# Altium PCB Allwinner_A13_BRD.PcbDoc (part 1 of 5)
Units mil, origin at the board's own origin, x right, y up, seen from the top; angles counter-clockwise.
Board outline 3937 x 2895 mil, 4 copper layers (Top Layer, power, gnd, Bottom Layer), stack 68.553 mil thick; 348 components, 338 nets, 1570 pads, 834 vias.
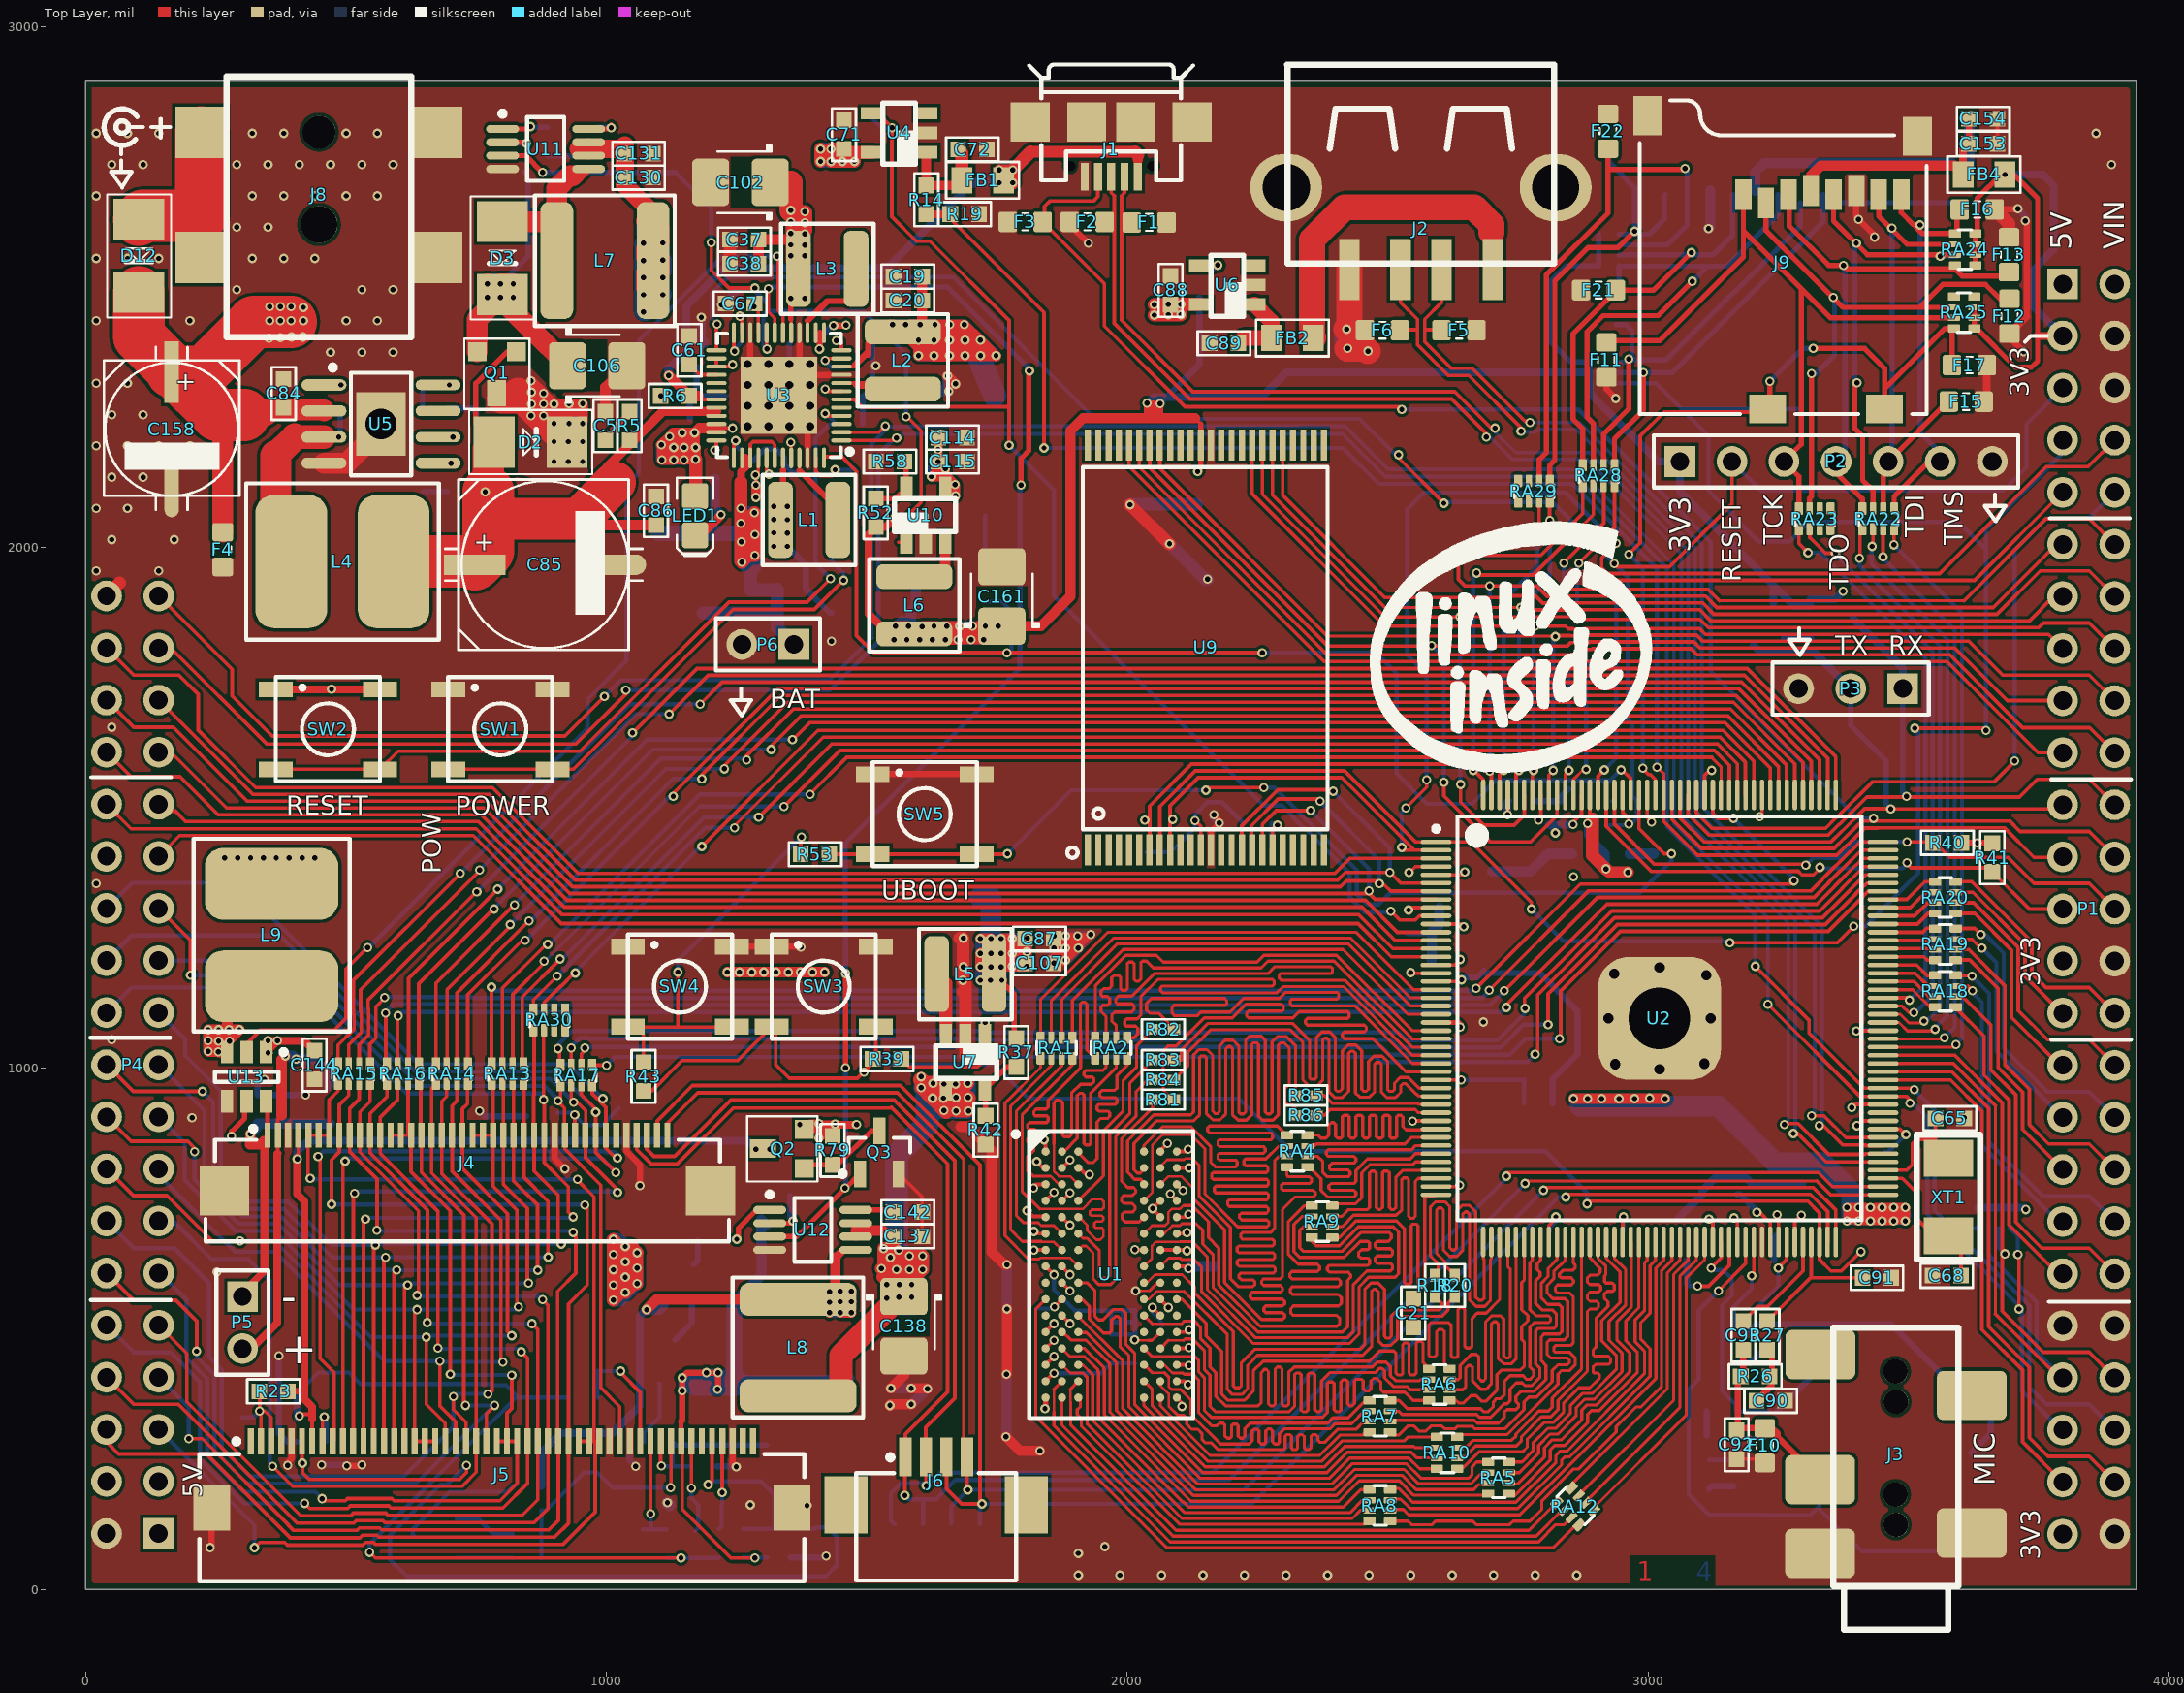
[diagram p0: Top Layer view]
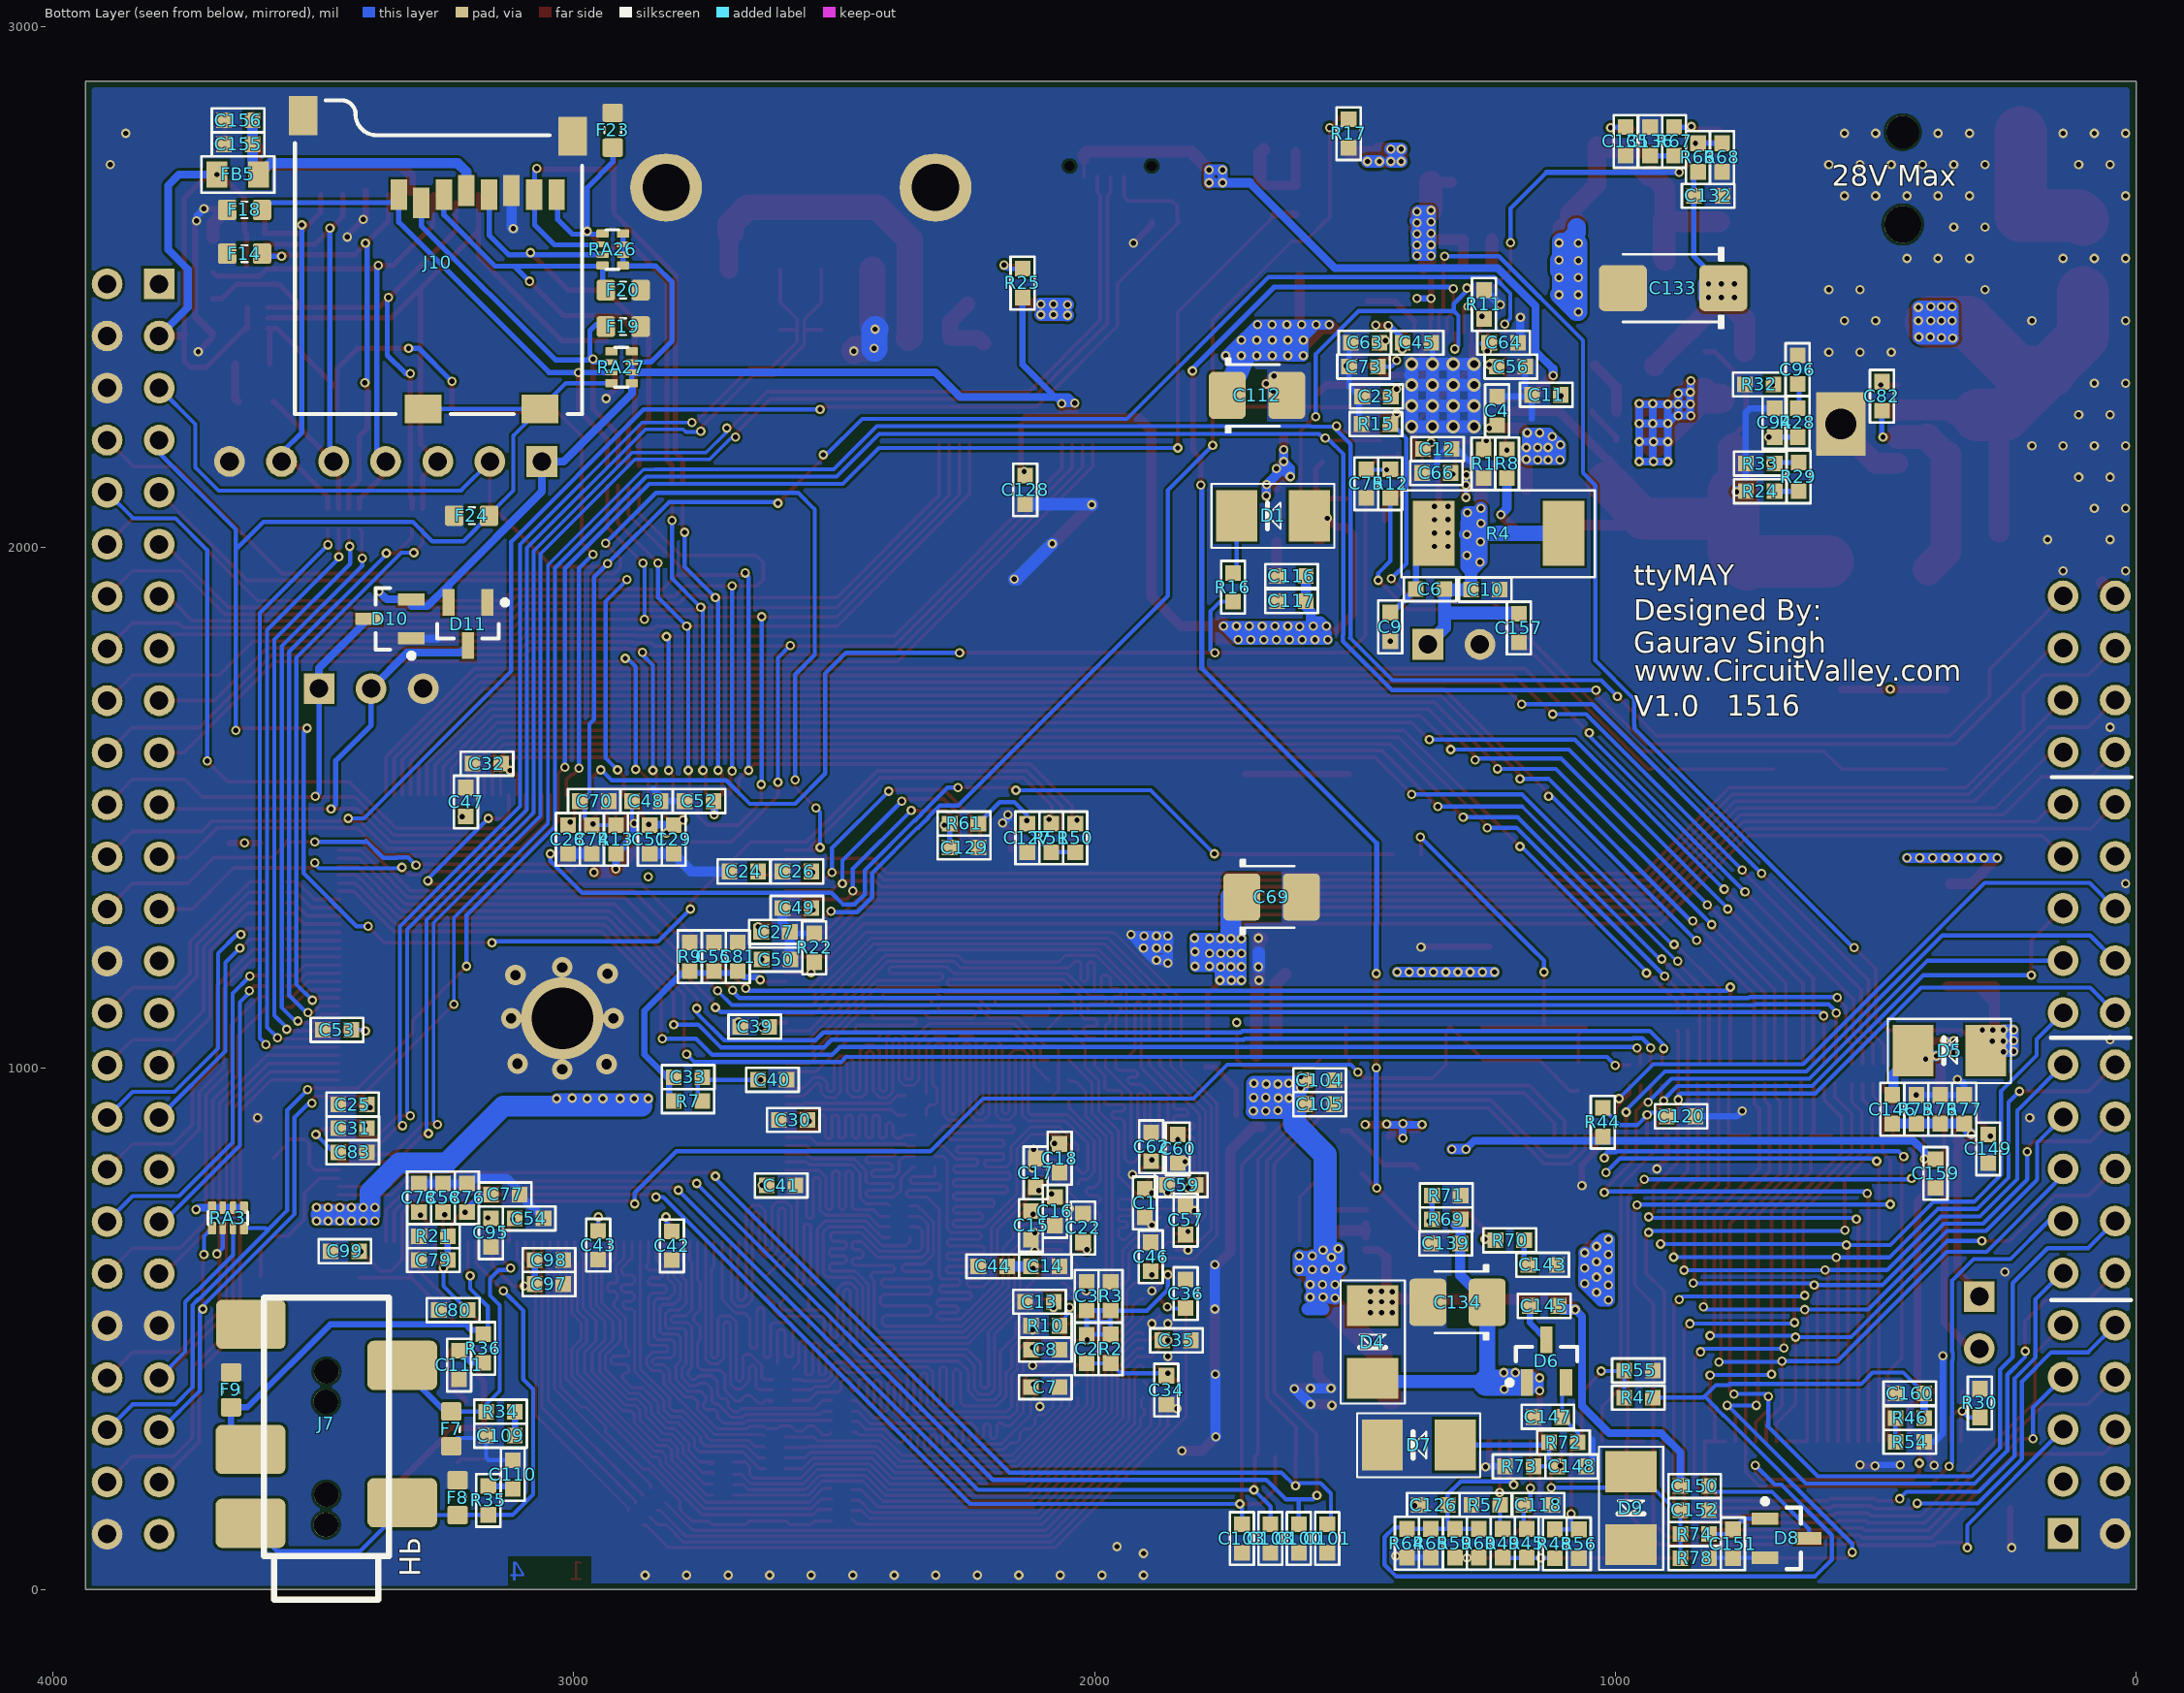
[diagram p1: Bottom Layer view, seen from below]
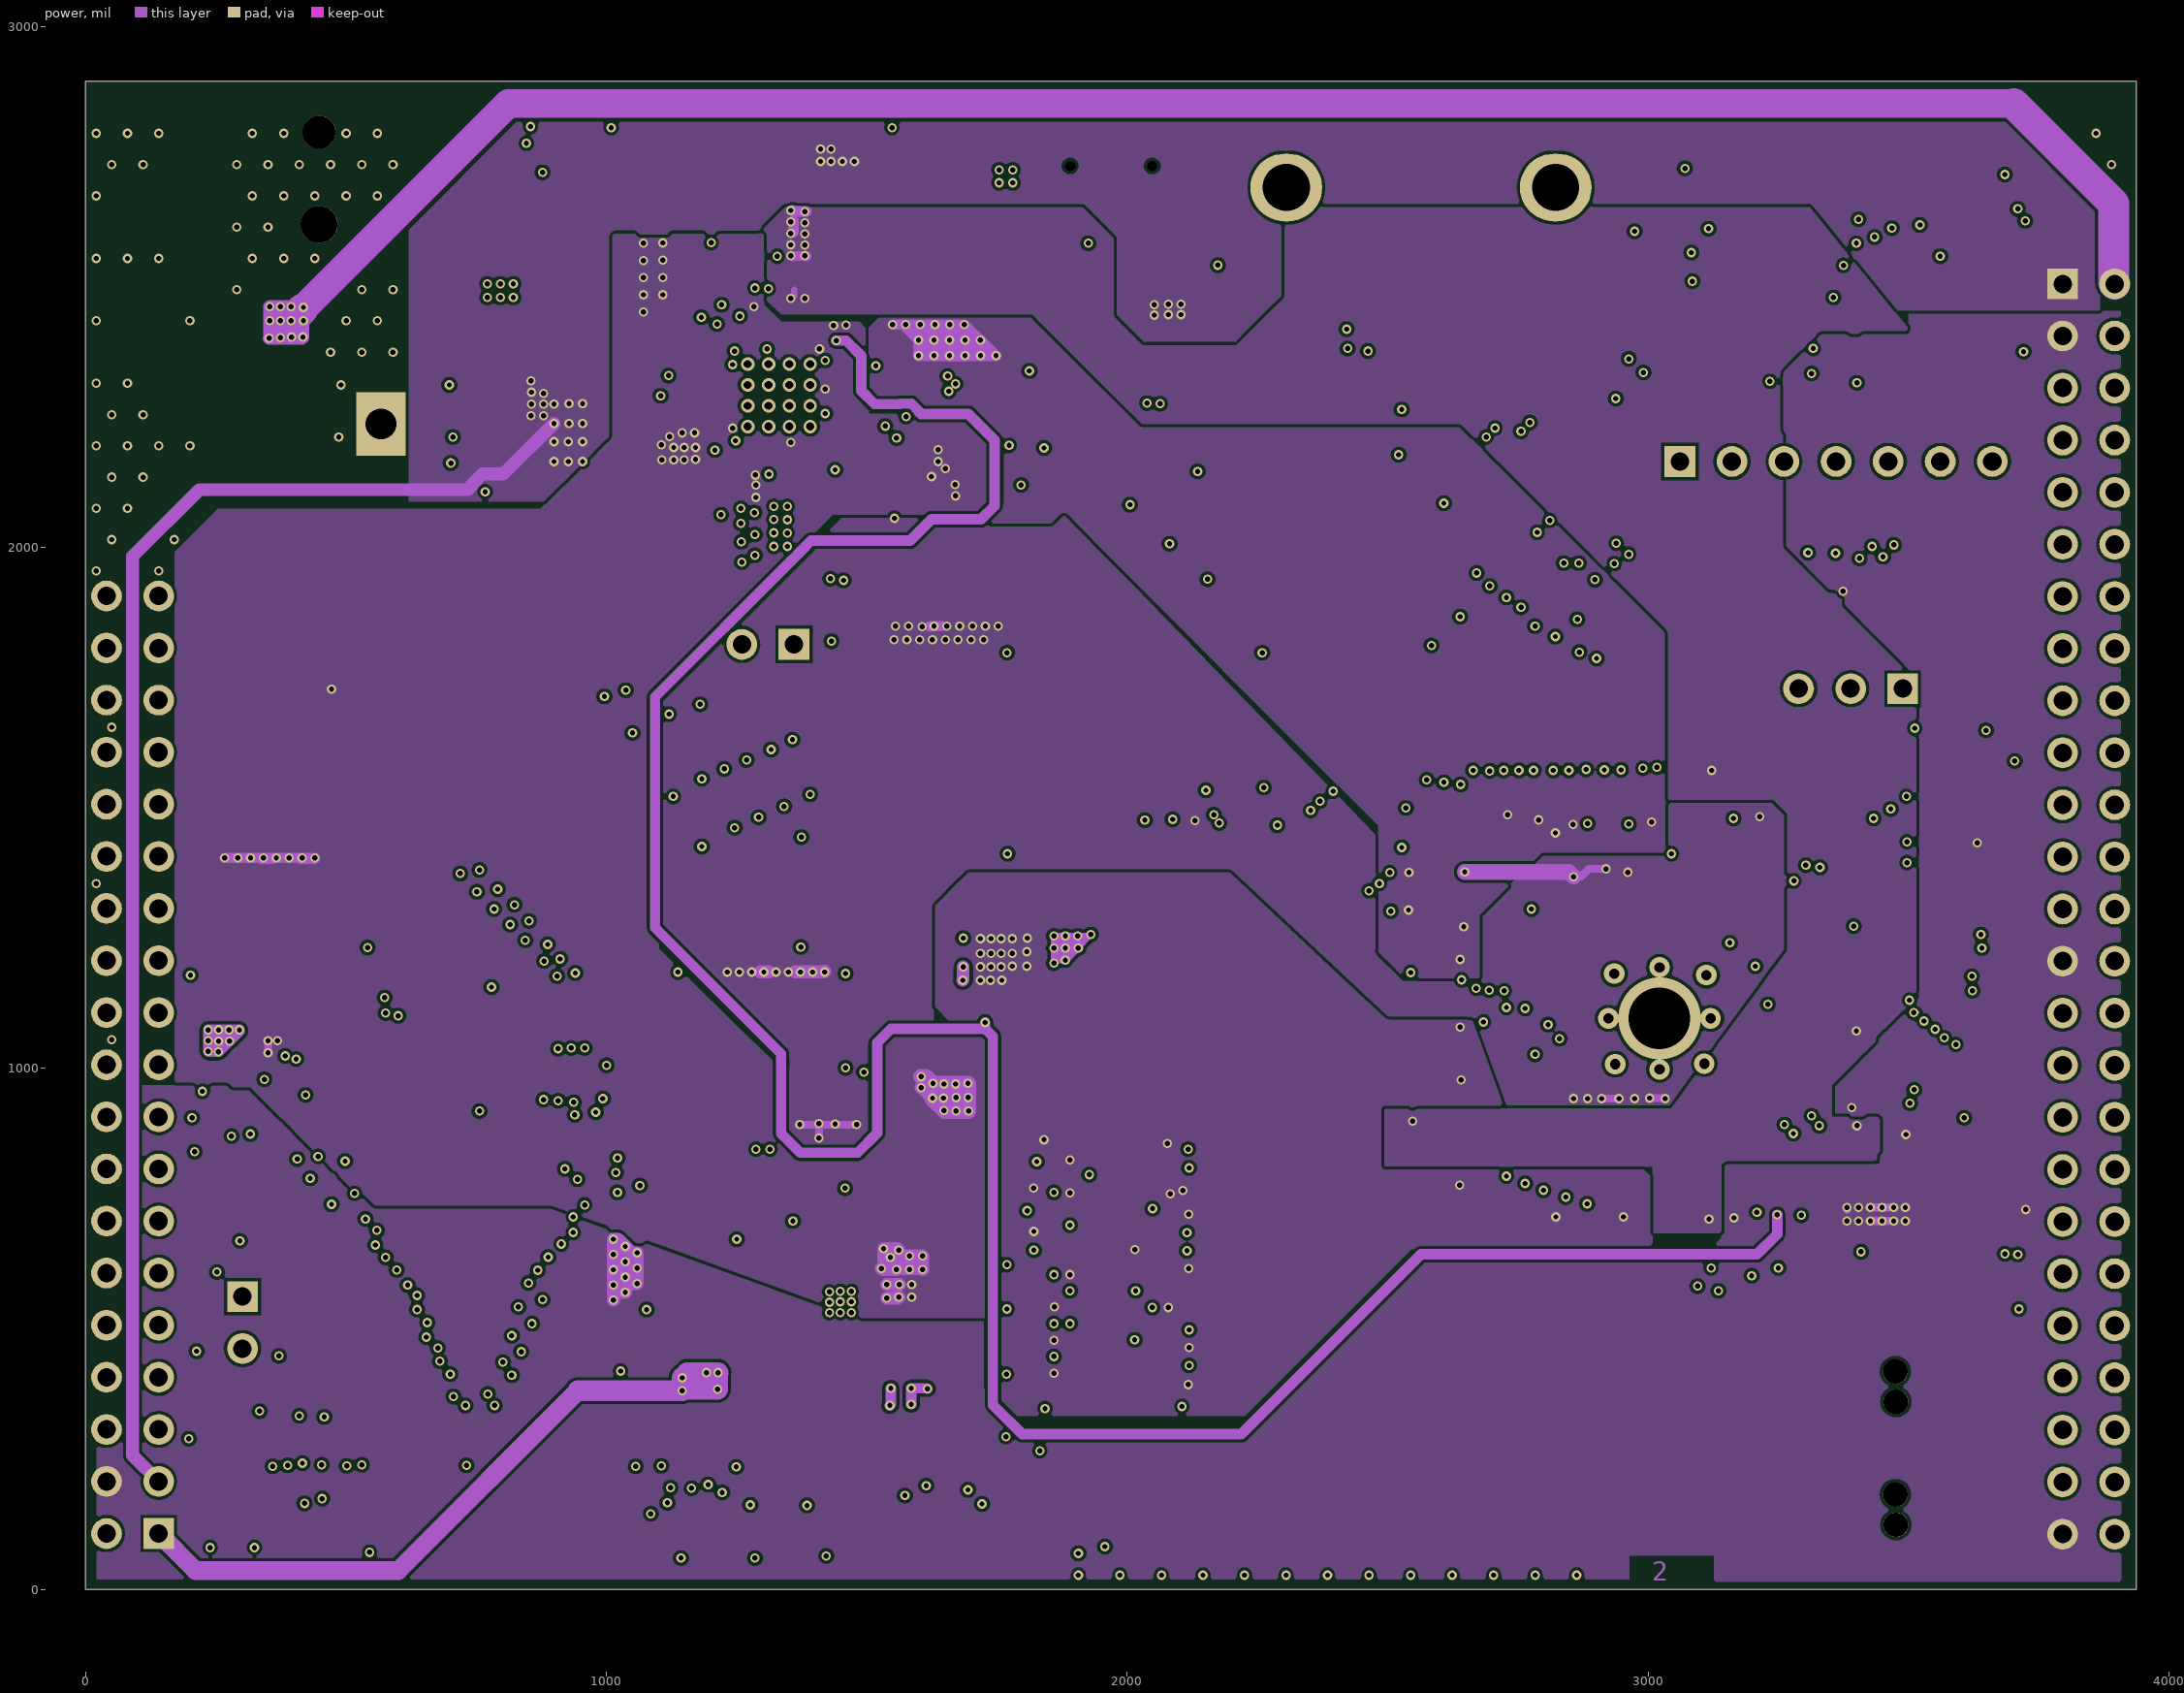
[diagram p2: power]
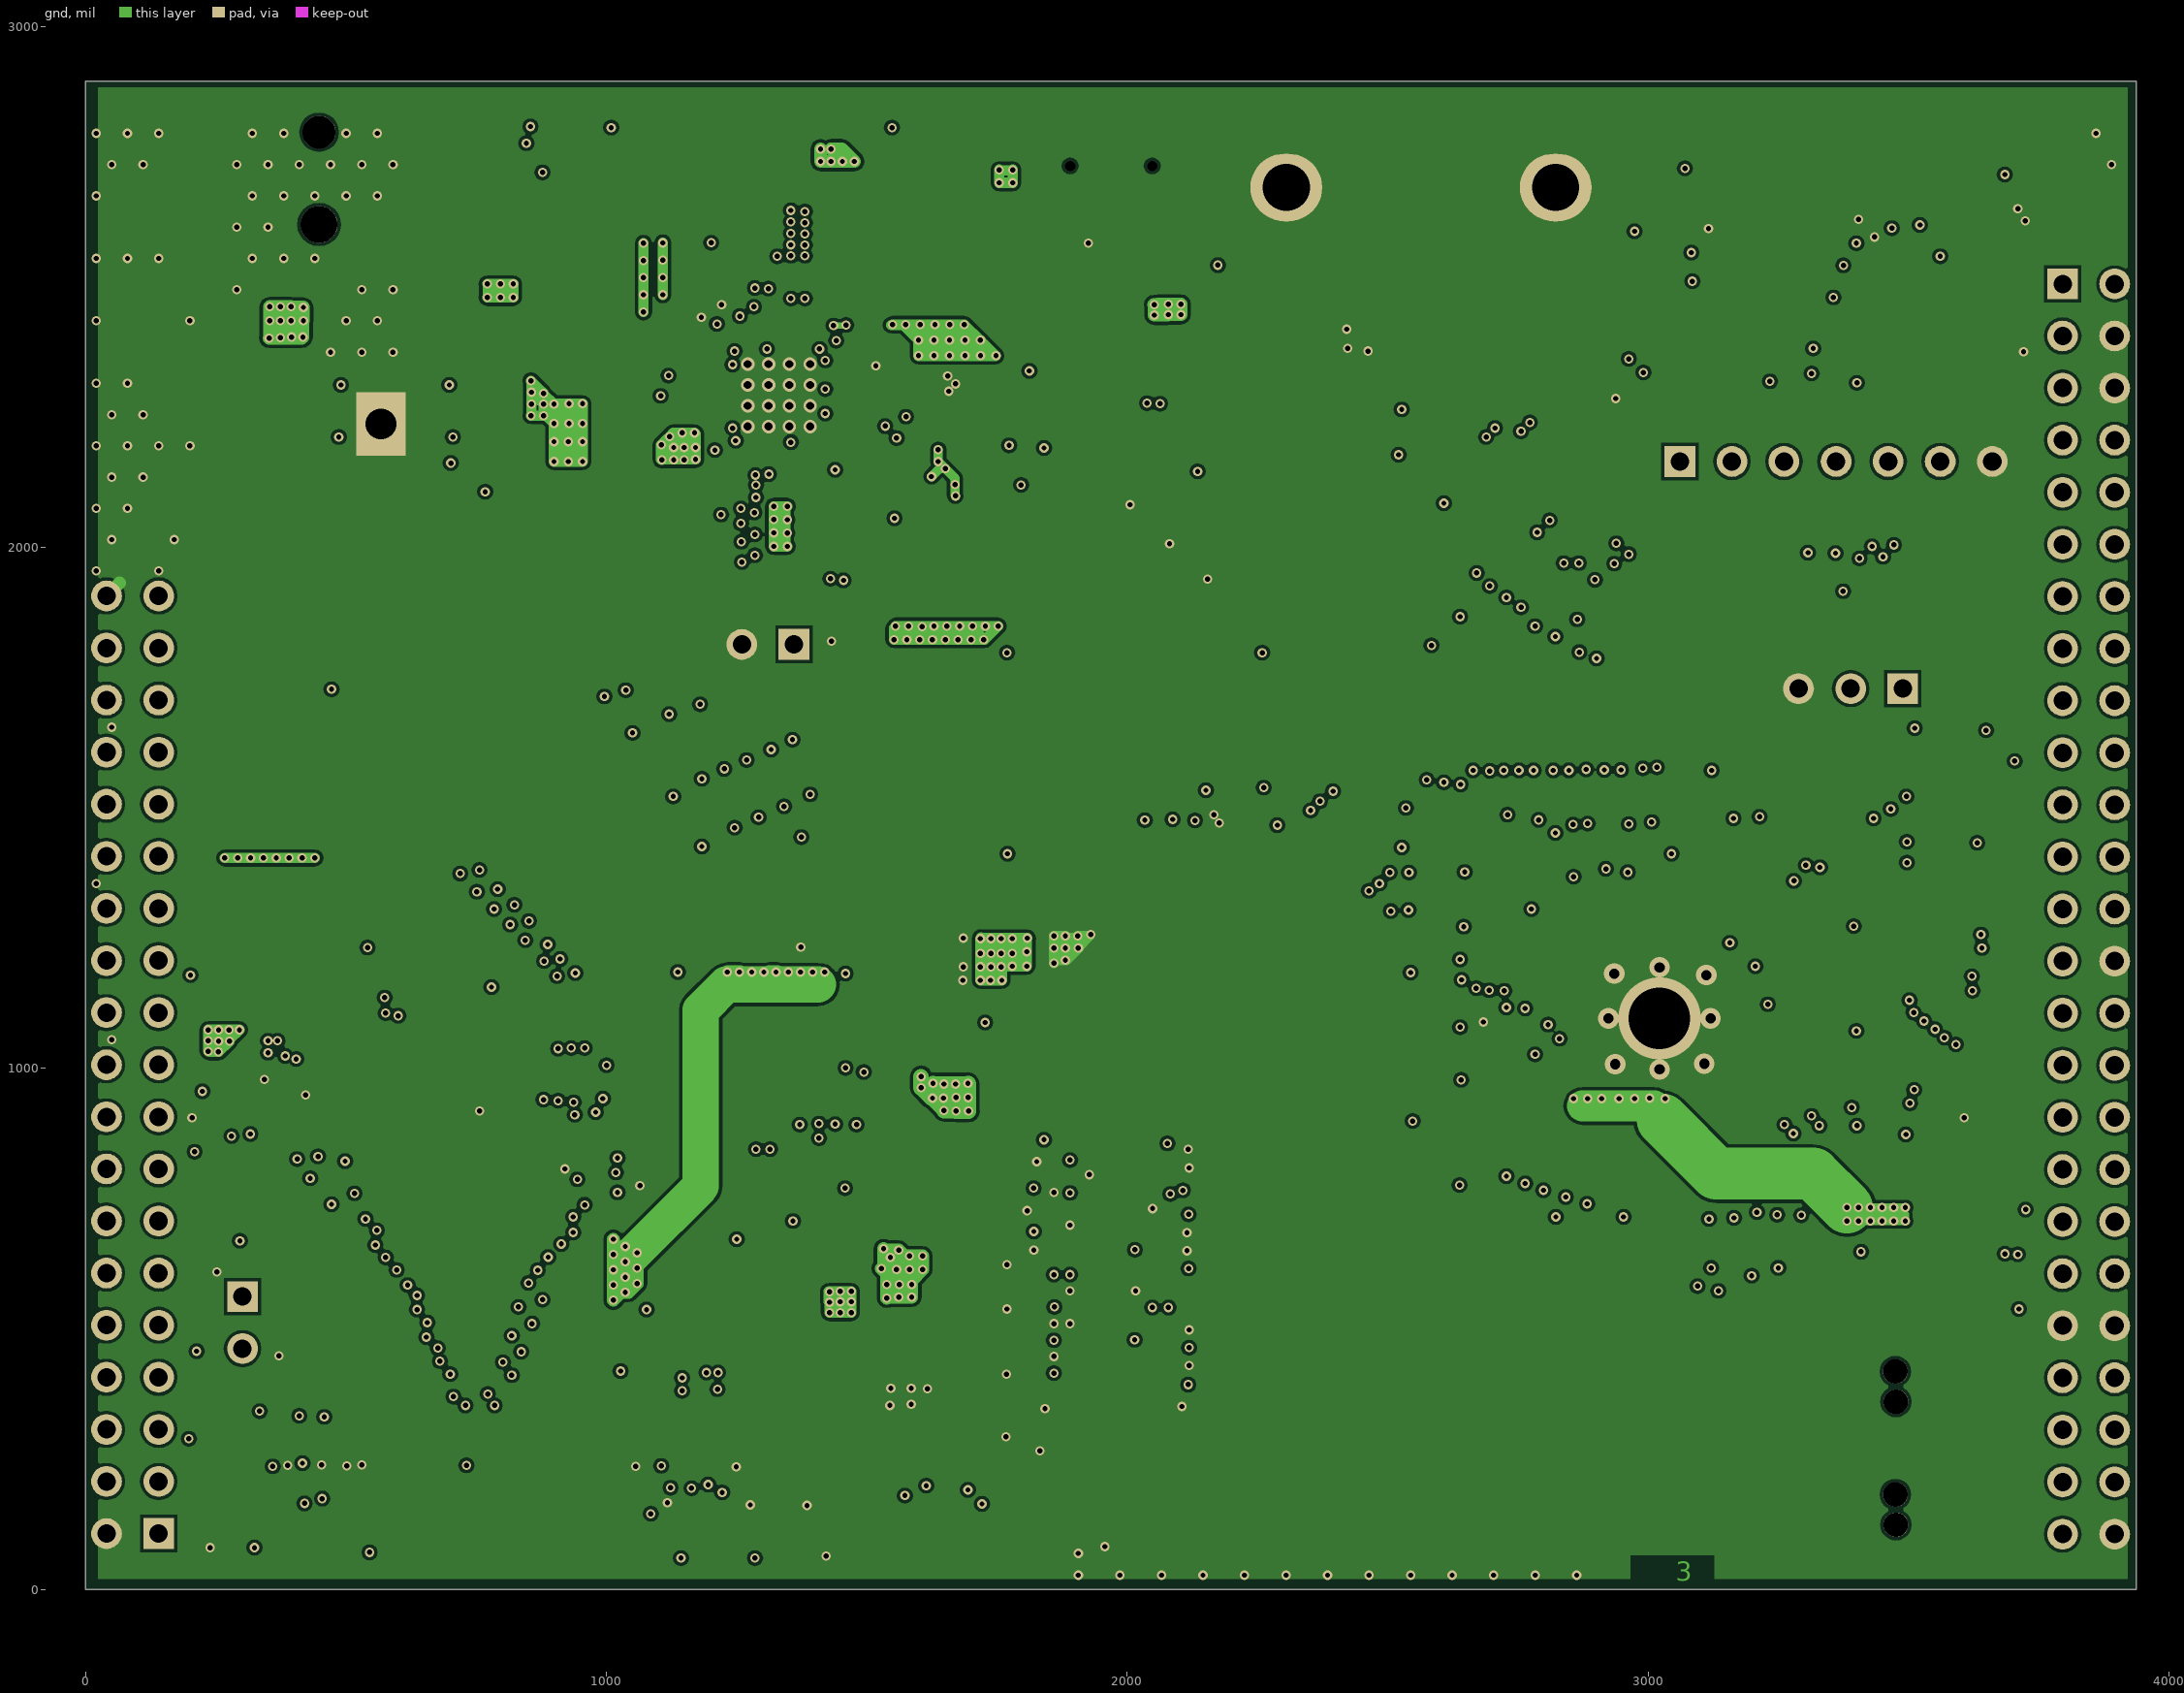
[diagram p3: gnd]

## Layer stack, top to bottom
Top Solder: solder mask 0.4, Solder Resist, Dk 3.5
Top Layer: signal copper 1.4
Dielectric1: core 20.9843, FR-4, Dk 4.8
power: signal copper 1.4
Dielectric2: prepreg 20.9843, FR-4, Dk 4.8
gnd: signal copper 1.4
Dielectric3: core 20.9843, FR-4, Dk 4.8
Bottom Layer: signal copper 1.4
Bottom Solder: solder mask 0.4, Solder Resist, Dk 3.5

## Board outline
0,0 3937,0 3937,2895 0,2895

## Design rules (kind name [scope] priority, off if disabled: settings)
Clearance "Stitching GND" [IsStitchingVia and InNet('GND') vs (IsVia and (Not IsStitchingVia)) Or IsPad] p1: gap=10
Clearance [All] p2: gap=5
DiffPairsRouting [All] p1: maxlimit=50 minlimit=6 mostfreqgap=6 toplayer_minwidth=6 toplayer_maxwidth=15 toplayer_prefwidth=6 midlayer1_minwidth=6 midlayer1_maxwidth=15 midlayer1_prefwidth=6 midlayer2_minwidth=6 midlayer2_maxwidth=15 midlayer2_prefwidth=6 bottomlayer_minwidth=6 bottomlayer_maxwidth=15 bottomlayer_prefwidth=6 maxuncoupledlength=500
HoleSize [All] p1: absolutevalues=TRUE maxlimit=2000 minlimit=8 maxpercent=80.000 minpercent=20.000
HoleToHoleClearance [All] p1: gap=6 allowstackedmicrovias=TRUE
MatchedLengths ddr_da_in [InNetClass('DDR_DA_i')] p1: tolerance=10 checknetsindiffpair=FALSE checkdiffpairvsdiffpair=FALSE checkothers=TRUE
MatchedLengths DDR_DA [InNetClass('DDR_DA')] p2: tolerance=15 checknetsindiffpair=FALSE checkdiffpairvsdiffpair=FALSE checkothers=TRUE
MinimumSolderMaskSliver [All] p1: minsoldermaskwidth=0
PlaneConnect [All] p1: planeconnectstyle=Direct reliefexpansion=20 reliefentries=4 reliefconductorwidth=10 reliefairgap=8
PolygonConnect [All] p1: connectstyle=Direct reliefconductorwidth=10 reliefentries=4 polygonreliefangle="90 Angle" airgapwidth=10
RoutingVias [All] p1: holewidth=8 width=18 viastyle="Through Hole" minholewidth=8 minwidth=18 maxholewidth=2000 maxwidth=2000
SilkToSilkClearance [All] p1: silktosilkclearance=0
SilkToSolderMaskClearance [IsPad] p1: minsilkscreentomaskgap=0 clearancetoexposedcopper=TRUE
SolderMaskExpansion [All] p1: expansion=4
Width [All] p1: maxlimit=250 minlimit=5 preferedwidth=6
23 further rules are at their usual default settings.

## Classes and differential pairs
net class DDR_DA_i: DBA0 DBA1 DBA2 DCAS DCKE DDA0 DDA1 DDA2 DDA3 DDA4 DDA5 DDA6 DDA7 DDA8 DDA9 DDA10 DDA11 DDA12 DDA13 DDA14 DDCK DDCK_N DDD0 DDD1 DDD2 DDD3 DDD4 DDD5 DDD6 DDD7 DDD8 DDD9 DDD10 DDD11 DDD12 DDD13 DDD14 DDD15 DDM0 DDM1 DDQS0 DDQS0_N DDQS1 DDR_A0 DDR_A1 DDR_A2 DDR_A3 DDR_A4 DDR_A5 DDR_A6 DDR_A7 DDR_A8 DDR_A9 DDR_A10 DDR_A11 DDR_A12 DDR_A13 DDR_A14 DDR_BA0 DDR_BA1 DDR_BA2 DDR_CAS DDR_CK DDR_CK_N DDR_CKE DDR_D0 DDR_D1 DDR_D2 DDR_D3 DDR_D4 DDR_D5 DDR_D6 DDR_D7 DDR_D8 DDR_D9 DDR_D10 DDR_D11 DDR_D12 DDR_D13 DDR_D14 DDR_D15 DDR_DM0 DDR_DM1 DDR_DQS0 DDR_DQS0_N DDR_DQS1 DDR_RAS DDR_RST DDR_WE DRAS DRST DWE
differential pair DDQS1: +DDQS1 -DDQS1_N
differential pair DDQS0: +DDQS0 -DDQS0_N
differential pair DDCK: +DDCK -DDCK_N
differential pair DDR_CK: +DDR_CK -DDR_CK_N
differential pair DDR_DQS0: +DDR_DQS0 -DDR_DQS0_N
differential pair DDR_DQS1: +DDR_DQS1 -DDR_DQS1_N
differential pair USB0: +USB0 -USB0_N
differential pair USB1: +USB1 -USB1_N
